# Altium PCB SJ2088POE.PcbDoc (part 3 of 6)
Units mm, origin at the board's own origin, x right, y up, seen from the top; angles counter-clockwise.
Board outline 108 x 50 mm, 6 copper layers (Top Copper, Signal Layer 1, Signal Layer 2, Signal Layer 3, Signal Layer 4, Bottom Copper), stack 1.597 mm thick; 309 components, 234 nets, 1140 pads, 893 vias.
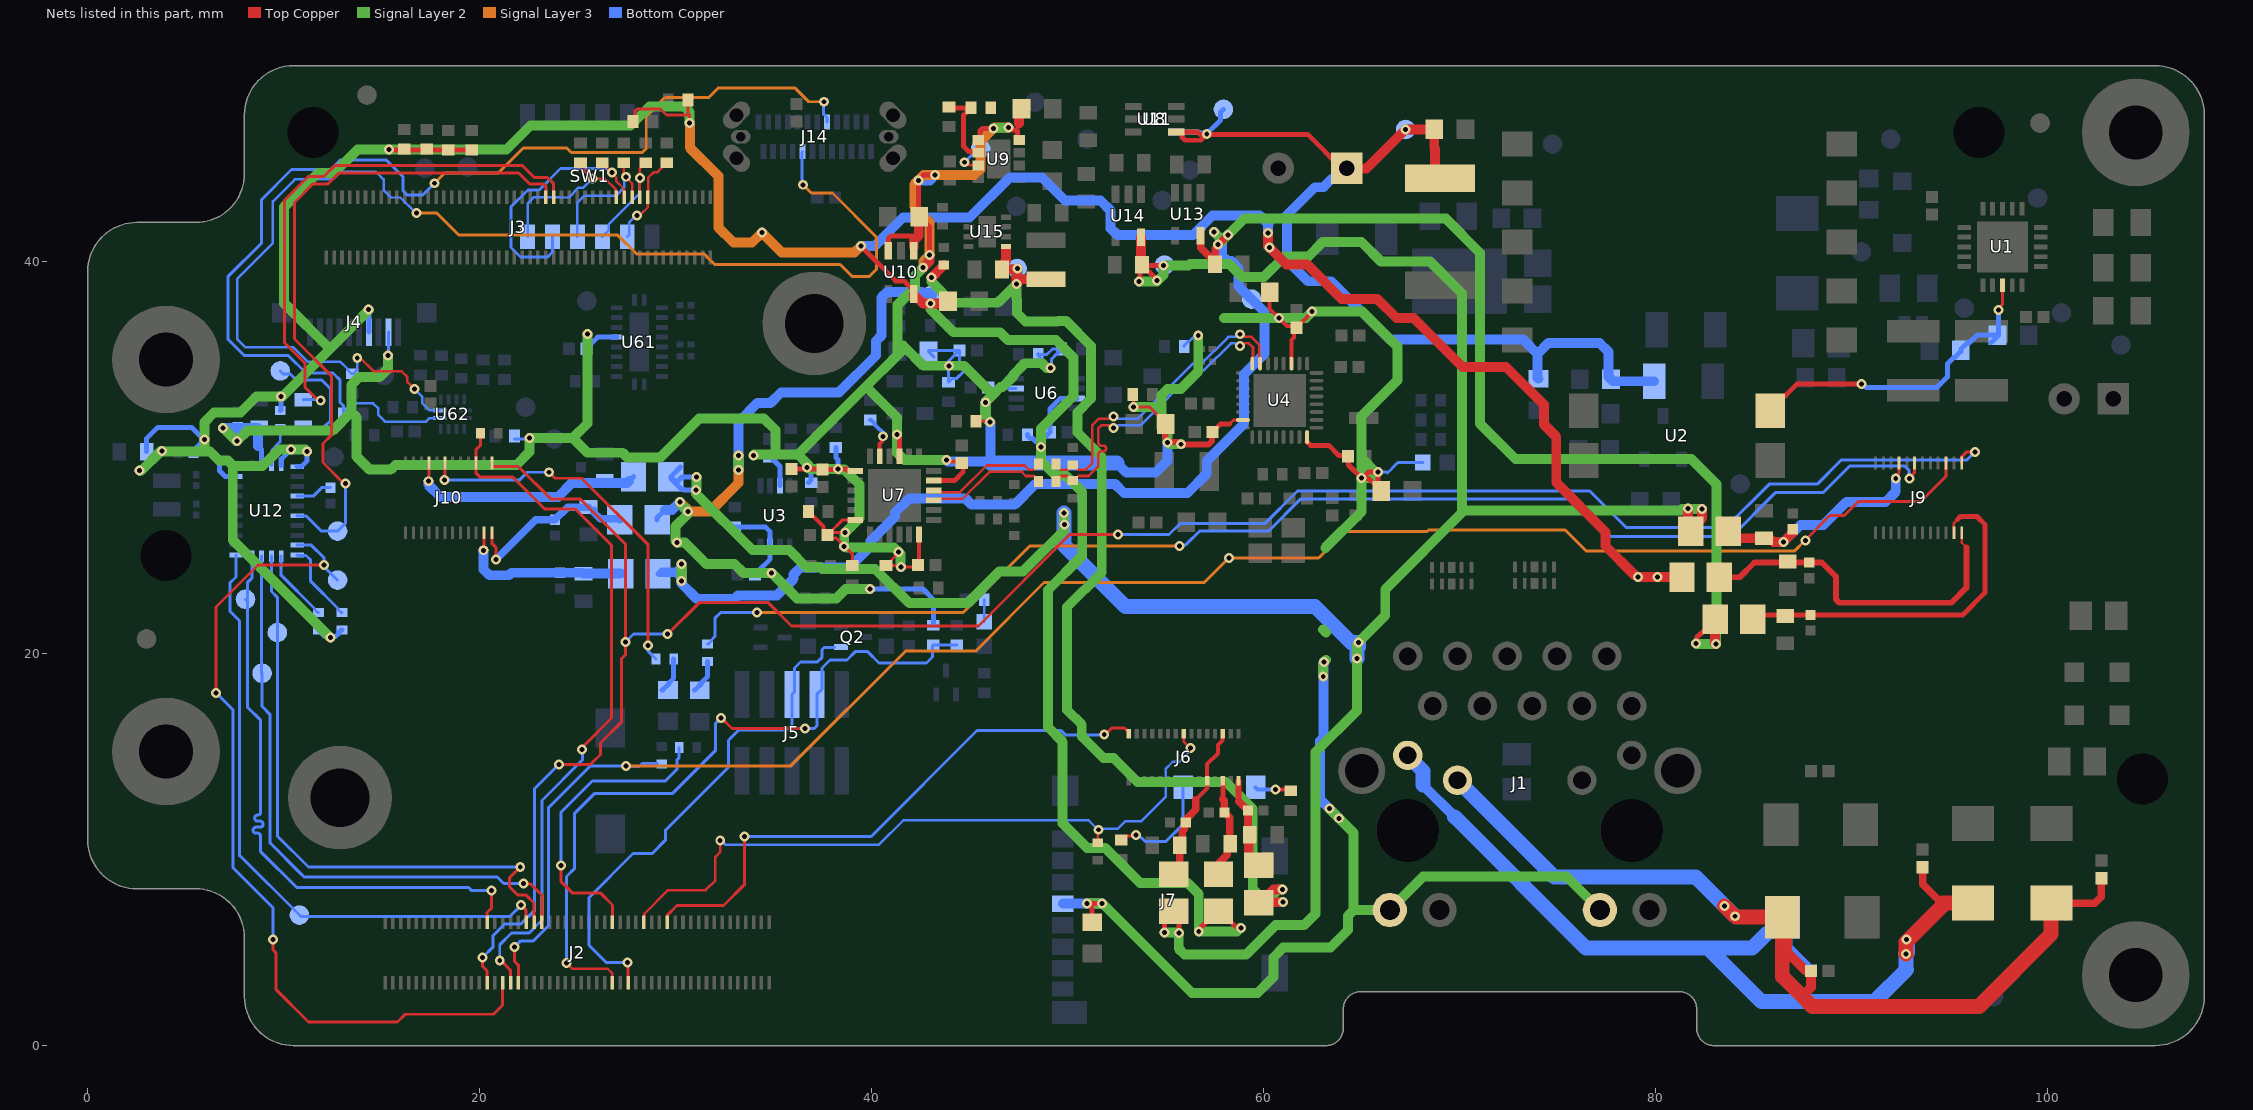
[diagram p7: the nets of this part, all layers, seen from the top]

## Part data (continued)
X1: library part ECS-250-18-36B-CKY-TR, "CRYSTAL 25.0000MHZ 18PF SMD 25MHz ±10ppm Crystal 18pF 50 Ohms 4-SMD, No Lead", Manufacturer 1="ECS International", Supplier Part Number 1=XC3051CT-ND, Manufacturer Part Number 1=ECS-250-18-36B-CKY-TR, Pricing 1="1=0.48000, 10=0.39900, 50=0.35880, 100=0.31900, 500=0.30306 (USD)", RoHS=No, Stock 1=1111, Supplier 1=Digi-Key, Supplier 2=Mouser, Supplier 3=Arrow, Supplier Part Number 2=520-250-18-36B-CKYT, Supplier Part Number 3=ECS-250-18-36B-CKY-TR
Y1: "CRYSTAL 32.768kHz ±20ppm Crystal 12.5pF 90 kOhms 2-SMD, No Lead", Case/Package=SMD/SMT, ESR (Equivalent Series Resistance)=90kR, Frequency=32.768kHz, Frequency Tolerance=20ppm, Load Capacitance=12.5pF, Manufacturer 1=Abracon, Max Operating Temperature=85°C, Min Operating Temperature=-40°C, Supplier Part Number 1=535-14513-1-ND, ComponentLink1Description=http://www.farnell.com/datasheets/2614114.pdf?src-supplier=Farnell, ComponentLink1URL=http://www.farnell.com/datasheets/2614114.pdf?src-supplier=Farnell, ComponentLink2Description=https://abracon.com/datasheets/ABS06-127-32.768kHz-T.pdf?src-supplier=Digi-Key, ComponentLink2URL=https://abracon.com/datasheets/ABS06-127-32.768kHz-T.pdf?src-supplier=Digi-Key, ComponentLink3Description=http://www.farnell.com/datasheets/2614114.pdf?src-supplier=Newark, ComponentLink3URL=http://www.farnell.com/datasheets/2614114.pdf?src-supplier=Newark, Manufacturer Part Number 1=ABS06-127-32.768KHZ-T, Mount="Surface Mount", Packaging="Tape and Reel", Pricing 1="1=0.69000, 10=0.60700, 50=0.56760, 100=0.50160, 500=0.47520, 1000=0.39600 (USD)", RoHS=Yes, Stock 1=1640, Supplier 1=Digi-Key, Supplier 2=Digi-Key, Supplier 3=Mouser, Supplier 4=Verical, Supplier Part Number 2=535-14513-6-ND, Supplier Part Number 3=815-ABS0612732.768KT, Supplier Part Number 4=ABS06-127-32.768KHZ-T

## Free pads (board coordinates)
  round 1.524 hole 2.6: 3(4,25) 3(11.5,46.6) 3(96.5,46.6) 3(104.85,13.6)

## Via types
v1: diameter 0.508, hole 0.254, Top Copper to Bottom Copper, tented both sides, 883 vias
v2: diameter 0.406, hole 0.203, Top Copper to Bottom Copper, 10 vias

## Nets (pads, with @x,y where several pads share a name; then routed paths per layer and width w, separated by ;. In a path a pad name is that pad's centre, name@x,y a point inside that pad or via, vN(x,y) a via of type N, cw(c..) or ccw(c..) an arc to the next point about the centre after c; other vN are vias at no path point)
1V2: C64.2 FB6.1 FB9.1 TP22.1 U13.5 | length 103.2
  Top Copper w0.254: U13.5@56.775,41.325 56.785,41.316 U13.5@56.804,41.296 ; C64.2@57.279,40.198 57.302,40.198 57.525,39.975 C64.2@57.525,39.875 ; 57.525,40.653 57.676,40.805 57.676,40.854 v1(57.676,40.874) ; v1@58.157,41.357 v1(58.18,41.357) ; v1(82.069,20.527) 82.118,20.576 82.118,20.849 82.273,21.004 82.304,21.004 82.427,21.127 82.527,21.127 83.05,21.65 FB9.1@83.05,21.75
  Top Copper w0.381: U13.5@56.785,41.316 56.785,40.715 C64.2@57.302,40.198 ; C64.2@57.525,39.975 57.525,40.653 ; v1@57.676,40.854 v1(58.18,41.357)
  Top Copper w0.508: FB9.1@83.05,21.75 83.029,21.729 83.029,20.536 v1(83.075,20.49)
  Signal Layer 2 w0.508: v1(30.3,24.575) 30.3,23.712 v1(30.308,23.704) ; v1(57.467,41.511) 57.866,41.112 57.915,41.112 ; v1(57.676,40.874) 57.915,41.112 ; v1@58.17,41.367 57.915,41.112 ; v1(58.18,41.357) 59.024,42.202 69.298,42.202 71.05,40.45 71.05,31.73 72.855,29.925 81.825,29.925 83.1,28.65 83.1,21.334 83.075,21.309 v1(83.075,20.49) 82.107,20.49 v1(82.069,20.527)
  Bottom Copper w0.254: v1(30.3,24.575) 29.982,24.257 29.279,24.257 FB6.1@29.1,24.079 29.148,24.03 29.982,24.03 30.3,23.712 v1(30.308,23.704)
  Bottom Copper w0.508: v1(30.3,24.575) 30.3,23.712 30.3,23.575 31.075,22.8 33,22.8 33.175,22.975 35.175,22.975 36.025,23.825 36.025,24.05 36.375,24.4 38.875,24.4 39.95,25.475 39.95,25.737 41.2,26.987 41.2,27.2 41.925,27.925 44.775,27.925 45.101,27.599 47.301,27.599 48.368,28.665 52.41,28.665 52.875,28.2 56.125,28.2 57.1,29.175 57.1,29.825 59.005,31.73 59.005,34.255 60.05,35.3 60.05,37.425 58.725,38.75 58.725,39.675 58.375,40.025 58.173,40.025 57.883,40.314 57.883,41.067 57.875,41.075 57.875,41.103 v1(57.467,41.511)
1V2_L: C78.2 C79.2 FB6.2 J10.2 | length 9.1
  Top Copper w0.152: v1(20.2,25.275) 20.223,25.298 J10.2@20.223,26.175
  Bottom Copper w0.508: v1(20.2,25.275) 20.2,24.3 20.5,24 21.5,24 21.629,24.129 C78.2@24.1,24.129 25.25,24.129 C79.2@25.3,24.079 FB6.2@27.2,24.079
1V2_R: C84.2 C85.2 FB9.2 J9.2 | length 18.3
  Top Copper w0.127: J9.2@95.223,26.175 95.223,26.666 95.396,26.839
  Top Copper w0.254: FB9.2@84.95,21.75 85.175,21.975 C84.2@87.9,21.975 95.675,21.975 96.8,23.1 96.8,26.6 96.4,27 95.557,27 95.396,26.839
1V05: C68.2 FB12.1 L3.2 R51.2 TP24.1 U15.5 | length 58.4
  Top Copper w0.254: C68.2@46.65,39.6 46.668,39.618 46.803,39.753 C68.2@46.803,40.015
  Top Copper w0.5: v1(43.045,39.182) 43.625,39.762 43.625,39.775 R51.2@43.675,39.825 ; C68.2@46.668,39.618 v1@47.418,39.618 ; v1(47.385,38.85) 47.385,39.585 v1@47.418,39.618 ; v1(47.45,39.65) v1@47.418,39.618 ; 47.465,39.1 L3.2@48.2,39.1 ; L3.2@48.825,39.175 L3.2@48.9,39.1 ; v1(60.975,7.961) 60.511,7.961 FB12.1@59.869,7.319 ; v1(60.996,7.319) FB12.1@59.869,7.319 ; FB12.1@59.869,7.319 59.85,7.3 FB12.1@59.75,7.3 59.769,7.319 FB12.1@59.869,7.319
  Top Copper w0.508: C68.2@46.803,40.015 46.85,40.062 46.85,40.325 46.85,40.621
  Signal Layer 2 w0.5: v1(43.045,39.182) 43.045,38.98 44.125,37.9 46.435,37.9 v1(47.385,38.85) ; v1(47.45,39.65) 47.45,38.917 47.385,38.853 v1(47.385,38.85) ; v1(60.975,7.961) 60.974,7.959 60.749,7.959 60.108,7.319 ; v1(60.996,7.319) 60.108,7.319 ; v1(47.385,38.85) 47.385,38.114 47.425,38.074 47.425,37.375 47.85,36.95 49.5,36.95 49.518,36.968 49.932,36.968 51.199,35.701 51.199,33.01 50.5,32.311 50.5,31.286 51.745,30.041 51.745,24.145 49.975,22.375 49.975,17.125 50.725,16.375 50.725,15.775 51.825,14.675 52.35,14.675 53.574,13.451 58.074,13.451 59.45,12.075 59.45,7.977 60.108,7.319
1V05_IMX378: C69.2 C70.2 FB12.2 J6.15 | length 8.2
  Top Copper w0.203: C69.2@59.2,12 59.3,11.9 C70.2@59.3,10.75 59.3,10.65 C70.2@59.548,10.402
  Top Copper w0.305: 58.723,12.477 J6.15@58.723,13.512
  Top Copper w0.381: 58.723,12.477 C69.2@59.2,12 59.2,9.659 59.659,9.2 FB12.2@59.75,9.2 59.3,9.65 C70.2@59.3,10.65
1V8: C18.2 C52.2 C60.2 C92.2 C93.2 FB5.1 FB8.1 FB11.1 J4.7 R1.1 R2.2 R6.2 R7.2 R9.2 R16.2 R50.2 R60.2 R61.2 R83.2 R85.1 R86.1 TP16.1 U3.3 U6.3 U10.5 U12.5 U12.6 U12.28 | length 269.9
  Top Copper w0.152: R2.2@27.82,47.15 27.933,47.264 27.933,47.707 28.023,47.796 29.223,47.796 29.534,47.486 30.717,47.486 ; R9.2@30.624,48.247 30.624,47.578 30.717,47.486 ; v1(30.717,47.08) 30.717,47.486
  Top Copper w0.254: v1(15.375,45.725) 15.4,45.7 R61.2@18.4,45.7 R16.2@19.6,45.7 ; v1(39.45,40.8) 41.225,39.025 41.65,39.025 42.002,38.673 42.077,38.673 42.15,38.6 U10.5@42.15,38.35 ; v1(56.691,5.823) 56.74,5.871 56.74,5.973 57.077,6.31 57.077,6.327 57.6,6.85 FB11.1@57.7,6.85 57.8,6.85 v1@58.611,6.039
  Top Copper w0.3: v1@78.936,24.004 78.94,24.004 79.044,23.9 v1(79.1,23.9)
  Top Copper w0.508: U10.5@42.15,38.35 42.15,38.208 42.204,38.154 42.346,38.154 42.625,37.875 v1(43,37.875) 43.8,37.875 C60.2@43.9,37.975 43.9,37.946 C60.2@43.704,37.75 ; v1(60.236,41.459) 60.236,40.789 v1(60.3,40.725) 61.175,39.85 62.225,39.85 63.975,38.1 65.8,38.1 66.775,37.125 67.65,37.125 70.144,34.631 72.369,34.631 74.316,32.684 74.316,31.684 74.933,31.067 74.933,28.733 77.452,26.213 77.452,25.488 v1@78.936,24.004 ; v1(79.1,23.9) v1(80.1,23.9) FB8.1@81.35,23.9
  Signal Layer 2 w0.508: v1(2.65,29.35) 2.75,29.35 3.749,30.349 v1(3.79,30.349) 3.83,30.309 5.95,30.309 ; v1(11.2,30.325) 11.102,30.423 v1(10.373,30.423) 9.773,30.423 8.925,29.575 7.425,29.575 ; v1(12.378,20.818) 7.4,25.796 7.4,29.55 7.425,29.575 ; v1(14.332,37.567) 14.332,37.539 14.342,37.528 12.357,35.543 ; v1(30.217,27.737) 30.217,27.668 v1(30.623,27.262) 30.623,27.123 30,26.5 30,25.74 v1(30.071,25.669) 30.467,25.669 31.561,24.575 33,24.575 33.45,24.125 v1(34.894,24.125) 36.194,22.825 38.2,22.825 38.675,23.3 v1(39.925,23.3) ; v1(30.717,47.08) 30.717,47.627 30.419,47.925 28.66,47.925 27.685,46.95 22.6,46.95 21.375,45.725 v1(15.375,45.725) 13.775,45.725 12.575,44.525 11.75,44.525 10.025,42.8 10.025,37.875 12.357,35.543 ; v1(33.198,29.374) 33.198,30.098 v1(33.2,30.1) ; v1(43,37.875) 43,37.575 44.175,36.4 46.55,36.4 46.95,36 49.4,36 50.3,35.1 50.3,33.139 48.65,31.489 48.65,29.828 49.377,29.1 49.9,29.1 50.747,28.253 50.747,24.997 49,23.25 49,16.25 49.75,15.5 49.75,11.33 51,10.08 51.921,10.08 53.694,8.306 56.119,8.306 56.691,7.734 v1(56.691,5.823) 56.695,5.827 58.636,5.827 v1@58.808,5.998 ; v1(79.1,23.9) v1(80.1,23.9) ; 5.95,30.309 6.241,30.309 6.7,29.85 7.15,29.85 7.425,29.575 ; 5.95,30.309 v1(5.95,30.925) 5.95,31.8 6.45,32.3 7.8,32.3 8.62,33.12 v1(9.863,33.12) 9.934,33.12 12.357,35.543
  Signal Layer 3 w0.508: v1(30.217,27.737) 30.692,27.262 31.762,27.262 33.2,28.7 v1(33.2,30.1) ; v1@30.724,47.053 30.724,45.816 32.175,44.365 32.175,41.75 32.95,40.975 33.897,40.975 v1(34.403,41.481) 35.405,40.479 39.129,40.479 v1(39.45,40.8)
  Bottom Copper w0.254: C92.2@3.006,30.302 3.01,30.306 3.01,30.985 3.575,31.55 5.3,31.55 v1@5.937,30.913 ; C93.2@5.4,30.325 5.475,30.325 5.533,30.383 5.533,30.508 v1@5.938,30.913 ; C93.2@5.425,30.2 6.525,30.2 6.725,30 6.725,29.325 7.013,29.038 U12.28@7.563,29.038 ; v1(5.95,30.925) v1@5.938,30.913 ; v1@5.975,30.875 v1@5.938,30.913 ; R83.2@9.825,32.4 9.863,32.438 v1(9.863,33.12) ; U12.5@9.875,29.6 9.875,29.926 v1(10.373,30.423) ; U12.6@10.687,29.538 10.9,29.538 11.2,29.838 v1(11.2,30.325) ; R86.1@11.775,21.2 11.825,21.2 11.923,21.102 11.923,21.052 12.109,20.866 12.329,20.866 v1(12.378,20.818) 12.426,20.866 12.637,20.866 12.827,21.056 12.827,21.102 12.925,21.2 R85.1@12.975,21.2 ; v1(14.332,37.567) 14.342,37.557 J4.7@14.342,36.405 ; FB5.1@29.05,26.829 29.05,26.929 29.446,27.325 29.573,27.452 FB5.1@29.673,27.452 ; v1@30.169,27.688 v1(30.217,27.737) ; R6.2@33.01,26.473 34.577,26.473 34.823,26.227 U3.3@34.823,25.475 34.823,24.823 C18.2@34.22,24.22 ; C18.2@34.05,24.05 C18.2@34.125,24.125 ; C18.2@34.22,24.073 C18.2@34.22,24.125 ; v1(34.894,24.125) C18.2@34.22,24.125 ; v1(39.925,23.3) 42.625,23.3 43.15,22.775 R1.1@43.15,21.45 ; R50.2@47.95,31.175 47.95,31.125 48.098,30.977 48.224,30.977 v1(48.65,30.551) 48.695,30.597 48.695,30.895 C52.2@49.1,31.3 49.1,32.5 49.625,33.025 U6.3@50.475,33.025 ; C18.2@34.125,24.125 C18.2@34.22,24.125 ; C18.2@34.125,24.125 C18.2@34.22,24.22 ; C18.2@34.22,24.125 C18.2@34.22,24.22
  Bottom Copper w0.508: FB5.1@29.446,27.325 29.805,27.325 30.169,27.688 30.595,27.262 v1(30.623,27.262) ; v1@33.2,29.374 v1(33.2,30.1) 33.2,31.825 34.175,32.8 34.85,32.8 35.376,33.326 38.326,33.326 40.217,35.217 40.217,35.948 40.494,36.225 40.494,38.158 40.792,38.455 42.572,38.455 42.633,38.394 42.981,38.394 TP16.1@43.075,38.3 ; v1(39.45,40.8) 40.158,40.8 41.225,41.867 41.608,42.25 45,42.25 47.05,44.3 48.696,44.3 49.871,43.125 51.675,43.125 52.2,42.6 52.2,41.7 52.55,41.35 56.4,41.35 57.4,42.35 59.8,42.35 60.25,41.9 60.236,41.886 v1(60.236,41.459) 60.236,40.789 v1(60.3,40.725)
  other v1: 58.858,5.998
1V8_IMX378: C71.2 C72.2 FB11.2 J6.13 | length 4.8
  Top Copper w0.203: FB11.2@57.5,9.2 FB11.2@57.6,9.2 ; 58.148,9.848 58.275,9.975 C72.2@58.275,10.725
  Top Copper w0.254: 57.923,12.577 J6.13@57.923,13.512
  Top Copper w0.381: FB11.2@57.6,9.2 58.148,9.748 58.148,9.848 ; 57.923,12.577 58,12.5 C71.2@58,11.9 58.275,11.625 C72.2@58.275,10.725
1V8_L: C80.2 C81.2 FB5.2 J10.1 | length 9.5
  Top Copper w0.152: J10.1@20.623,26.175 20.623,25.627 20.825,25.425 v1(20.825,24.8)
  Bottom Copper w0.152: C81.2@25.461,27.389 C81.2@25.55,27.479 25.65,27.479 25.81,27.319 C81.2@25.924,27.205
  Bottom Copper w0.381: v1(20.825,24.8) 22.854,26.829 C80.2@23.842,26.829 24.492,27.479 C81.2@25.55,27.479 ; C81.2@25.81,27.319 25.81,27.219 26.152,26.877 27.102,26.877 FB5.2@27.15,26.829
1V8_R: C86.2 C87.2 FB8.2 J9.1 | length 17.7
  Top Copper w0.127: J9.1@95.623,26.175 95.623,25.659 95.858,25.425
  Top Copper w0.3: FB8.2@83.25,23.9 84.3,23.9 85.05,24.65 86.75,24.65 C86.2@87.842,24.651 ; C86.2@87.842,24.651 88.479,24.651 89.199,23.932 89.199,22.776 89.375,22.6 95.1,22.6 95.858,23.358 95.858,25.425
2V8: C66.2 FB4.1 FB7.1 FB10.1 TP23.1 U14.5 | length 134.4
  Top Copper w0.254: v1(53.644,38.985) 53.692,39.034 53.692,39.742 C66.2@53.788,39.837 ; C66.2@53.75,39.875 C66.2@53.788,39.837 ; v1(54.549,39.039) 54.549,39.101 54.123,39.527 54.023,39.527 53.8,39.75 C66.2@53.8,39.825 ; v1(54.9,39.8) 53.825,39.8 C66.2@53.8,39.825 ; v1@54.95,5.785 54.95,6.85 55.16,6.85 55.683,6.327 v1@55.683,5.826 ; C66.2@53.788,39.837 C66.2@53.8,39.825 ; C66.2@53.788,39.837 C66.2@53.8,39.85 C66.2@53.8,39.825
  Top Copper w0.508: C66.2@53.75,39.875 U14.5@53.75,41.25 ; v1(81.651,27.413) 81.651,26.399 FB7.1@81.8,26.25 81.8,26.35 82.379,26.929 v1(82.379,27.377)
  Signal Layer 2 w0.508: v1(31.055,29.015) 31.055,28.363 v1(31.036,28.344) 31.036,28.161 31.037,28.163 33.918,25.282 35.793,25.282 36.65,24.425 37.375,24.425 37.475,24.325 40.175,24.325 41.925,22.575 44.9,22.575 46.525,24.2 47.725,24.2 49.816,26.291 v1(49.816,27.176) ; v1(53.644,38.985) 54.56,38.985 54.9,39.325 v1(54.9,39.8) 56.175,39.8 56.25,39.875 58.25,39.875 58.913,39.212 60.013,39.212 61.073,40.271 62.289,40.271 63.018,41 65,41 66,40 68.5,40 70.129,38.371 70.129,27.3 70.229,27.3 ; v1(54.95,5.76) 54.968,5.777 55.657,5.777 v1@55.67,5.764 ; v1(55.683,5.751) v1@55.67,5.764 ; v1@64.759,20.444 v1(64.759,19.747) 64.759,17.084 62.65,14.975 62.65,6.725 62.07,6.145 60.609,6.145 59.112,4.648 55.968,4.648 55.67,4.946 v1@55.67,5.764 ; v1(64.842,20.578) 64.844,20.578 66.208,21.942 66.208,23.279 70.229,27.3 ; v1(82.379,27.377) 81.36,27.377 81.282,27.3 70.229,27.3
  Bottom Copper w0.254: FB4.1@30.248,29.527 FB4.1@29.75,29.029 ; v1(31.036,28.344) 30.435,28.344 30.373,28.406 30.273,28.406 29.75,28.929 FB4.1@29.75,29.029 ; v1(31.055,29.015) 30.32,29.015 30.042,28.737 FB4.1@29.75,29.029
  Bottom Copper w0.508: 49.8,25.473 v1@49.8,26.592
  Bottom Copper w0.762: v1(49.816,27.176) 49.816,25.534 52.95,22.4 62.63,22.4 64.452,20.578 v1(64.842,20.578) 64.842,20.349 64.759,20.266 v1(64.759,19.747)
  other v1: 49.83,26.592
2V8_IMX378: C75.2 C77.2 FB10.2 J6.11 J6.18 | length 8.6
  Top Copper w0.203: C75.2@55.875,11.375 55.983,11.483 56.008,11.483 56.096,11.571 56.133,11.608 C75.2@56.133,11.633 ; 56.55,12.55 57.123,13.123 J6.11@57.123,13.512 57.123,14.359 57.677,14.913 57.677,15.339 57.915,15.577 57.915,15.904 J6.18@57.923,15.912
  Top Copper w0.381: FB10.2@55.425,8.75 55.715,9.04 C77.2@55.715,10.224 55.855,10.363 55.855,10.93 55.957,11.032 55.957,11.309 C75.2@56.026,11.379 56.096,11.448 56.096,11.571 56.096,11.596 56.133,11.633 56.55,12.05 56.55,12.55
2V8_L: C82.2 C83.2 FB4.2 J10.16 | length 12.2
  Top Copper w0.152: v1@17.423,29.017 J10.16@17.423,29.725
  Bottom Copper w0.254: v1@17.372,28.797 17.38,28.79 v1(17.38,28.797) ; C83.2@26.289,28.706 26.292,28.709 C83.2@26.388,28.805 ; FB4.2@27.626,28.805 FB4.2@27.85,29.029
  Bottom Copper w0.508: v1@17.38,28.79 17.38,28.62 18,28 24,28 24.7,28.7 25.169,28.7 C82.2@25.175,28.706 25.997,28.706 26,28.709 C83.2@26.292,28.709 ; C83.2@26.289,28.706 27.528,28.706 FB4.2@27.626,28.805
2V8_R: C88.2 C89.2 FB7.2 J9.16 | length 12.5
  Top Copper w0.152: v1(92.256,28.938) 92.195,28.938 92.172,28.961 92.423,29.212 J9.16@92.423,29.725
  Top Copper w0.508: FB7.2@83.8,26.35 FB7.2@83.7,26.25 84.062,25.888 C89.2@85.531,25.888 85.627,25.792 85.922,25.792 86.025,25.689 v1(86.521,25.689) 86.994,26.162 86.994,26.344 C88.2@87,26.35
  Bottom Copper w0.508: v1@86.522,25.689 87.393,26.561 88.561,26.561 89.733,27.733 91.726,27.733 92.256,28.263 v1(92.256,28.938)
3V3: C19.2 C21.2 C27.1 C28.1 C29.1 C30.1 C31.1 C32.2 C34.2 C38.2 C39.2 C40.2 C41.2 C53.2 C55.2 C57.1 C59.2 C74.2 C90.2 C91.2 D16.2 FB1.2 J1.15 J1.17 J4.9 J7.4 R25.1 R26.1 R28.1 R29.1 R30.2 R35.1 R37.1 R38.1 R39.1 R46.1 R49.1 R68.1 R186.2 U3.7 U4.11 U4.23 U4.32 U6.7 U7.1 U7.6 U7.12 U7.17 U7.21 U9.4 U9.5 U10.1 U10.3 U12.3 U61.6 | length 287.7
  Top Copper w0.152: v1(38.653,26.178) C28.1@37.878,26.178 ; R38.1@39.013,24.502 39.013,25.087 38.199,25.901 37.899,25.901 C28.1@37.75,26.05 C28.1@37.878,26.178 ; U7.6@39.163,26.827 38.527,26.827 C28.1@37.878,26.178 ; R39.1@40.738,24.502 R39.1@40.788,24.502 ; v1(41.382,25.176) 41.382,25.146 40.987,24.751 40.987,24.701 R39.1@40.788,24.502 ; C29.1@42.363,24.527 42.255,24.419 v1(41.506,24.419) 41.409,24.419 41.326,24.502 R39.1@40.788,24.502 ; R37.1@45.325,31.86 45.998,31.86 v1(46.032,31.826) ; R29.1@53.325,33.225 R29.1@53.353,33.197 ; R29.1@53.524,32.967 53.524,33.026 R29.1@53.353,33.197 ; C21.2@54.63,32.142 54.188,32.584 v1(53.353,32.584) R29.1@53.353,33.197 ; C21.2@54.63,32.142 54.817,31.955 55.004,31.768 C21.2@55.004,31.718 ; v1@55.004,30.996 v1@55.15,30.85 ; v1@56.002,30.717 56.034,30.685 56.052,30.667 ; C34.2@57.378,31.296 C34.2@57.386,31.304 ; 58.26,31.713 58.472,31.925 U4.23@58.948,31.925 ; U4.32@62.223,30.802 U4.32@62.223,31.05 ; C40.2@64.276,30.099 C40.2@64.3,30.075 C40.2@64.337,30.038 ; v1(65.006,28.957) v1@65.026,28.936 ; C38.2@65.576,28.724 65.626,28.724 C38.2@65.773,28.577 ; C38.2@65.839,28.643 C38.2@65.773,28.577 ; C38.2@65.773,28.577 65.773,28.527 C38.2@66,28.3 66,28.35 C38.2@65.773,28.577
  Top Copper w0.203: R35.1@36.775,27.25 36.775,27.2 36.948,27.027 36.998,27.027 37.542,26.483 37.542,26.258 C28.1@37.75,26.05 ; C29.1@42.363,24.527 42.413,24.577 U7.12@42.413,26.077 ; v1@43.875,29.8 44.65,29.8 C27.1@44.675,29.775 ; C39.2@60.314,38.438 60.314,37.595 v1(60.781,37.128) 61.186,36.723 61.587,36.723 C41.2@61.681,36.629 ; U4.11@61.423,34.8 61.423,36.003 61.553,36.133 61.553,36.5 C41.2@61.681,36.629 ; v1(62.473,37.447) 62.473,37.42 62.195,37.142 62.195,37.135 62.076,37.015 62.068,37.015 C41.2@61.681,36.629
  Top Copper w0.254: C32.2@35.904,29.429 36.562,29.429 36.63,29.497 v1(36.699,29.497) 36.767,29.497 36.835,29.429 37.462,29.429 C30.1@37.488,29.403 38.253,29.403 v1(38.275,29.425) 38.695,29.425 38.77,29.35 39.14,29.35 U7.1@39.163,29.327 ; U10.3@40.85,40.55 40.865,40.565 40.865,41.215 40.97,41.32 42.383,41.32 ; v1(41.303,31.182) 41.303,31.113 41.413,31.002 U7.21@41.413,30.077 ; v1(42.957,40.334) 42.957,41.768 42.798,41.927 42.748,41.927 42.425,42.25 C59.2@42.425,42.3 42.485,42.36 42.382,42.463 v1(42.382,44.153) 42.393,44.153 42.658,44.417 v1(43.235,44.417) ; U7.17@43.163,28.827 44.227,28.827 44.675,29.275 C27.1@44.675,29.775 ; U9.5@45.435,46.208 45.527,46.3 45.527,46.683 45.648,46.805 v1(46.221,46.805) ; R68.1@46.075,47.85 46.075,47.9 R68.1@46.223,48.048 ; v1(46.979,46.85) 47.048,46.85 47.18,46.718 47.386,46.718 47.432,46.672 47.432,46.311 U9.4@47.535,46.208 ; C55.2@51.25,6.3 51.25,6.984 51,7.234 v1(51,7.25) v1(51.75,7.25) ; C34.2@57.386,31.304 57.794,31.713 58.26,31.713 ; U4.32@62.223,30.802 62.399,30.626 63.324,30.626 63.851,30.099 C40.2@64.276,30.099 ; C40.2@64.337,30.038 64.337,29.626 v1(65.006,28.957) ; C38.2@65.576,28.724 65.364,28.936 65.026,28.936 65.366,29.276 v1(65.839,29.276) C38.2@65.839,28.643
  Top Copper w0.305: v1@55.004,30.996 C21.2@55.004,31.718 ; v1(55.09,30.768) 55.126,30.804 55.611,30.804 55.73,30.685 v1(55.785,30.685) v1@56.034,30.685 ; 56.052,30.667 57.19,30.667 57.378,30.855 C34.2@57.378,31.296
  Top Copper w0.5: U10.1@42.15,40.75 42.15,41.088 42.383,41.32 ; 42.405,41.343 42.405,42.28 C59.2@42.425,42.3 ; R68.1@46.05,47.825 R68.1@46.075,47.85 ; 47.523,47.046 47.523,47.673 C57.1@47.65,47.8 ; U9.4@47.525,46.208 U9.4@47.535,46.208
  Top Copper w0.508: v1(42.633,39.705) 42.957,40.029 v1(42.957,40.334)
  Signal Layer 2 w0.254: v1@33.942,30.234 v1@34.004,30.172 ; v1(33.97,30.108) 33.97,30.166 v1@33.977,30.172 ; 36.181,30.172 36.218,30.134 36.242,30.158 ; v1(36.699,29.497) 36.699,29.558 v1@36.77,29.63 ; 41.625,35.7 41.705,35.62 ; v1@42.909,40.286 v1(42.957,40.334)